# Altium PCB tester_board.PcbDoc (part 4 of 4)
Units mil, origin at the board's own origin, x right, y up, seen from the top; angles counter-clockwise.
Board outline 5000 x 4000 mil, 4 copper layers (Top Layer, Signal Layer 1, Signal Layer 2, Bottom Layer), stack 30.634 mil thick; 418 components, 246 nets, 1388 pads, 667 vias.
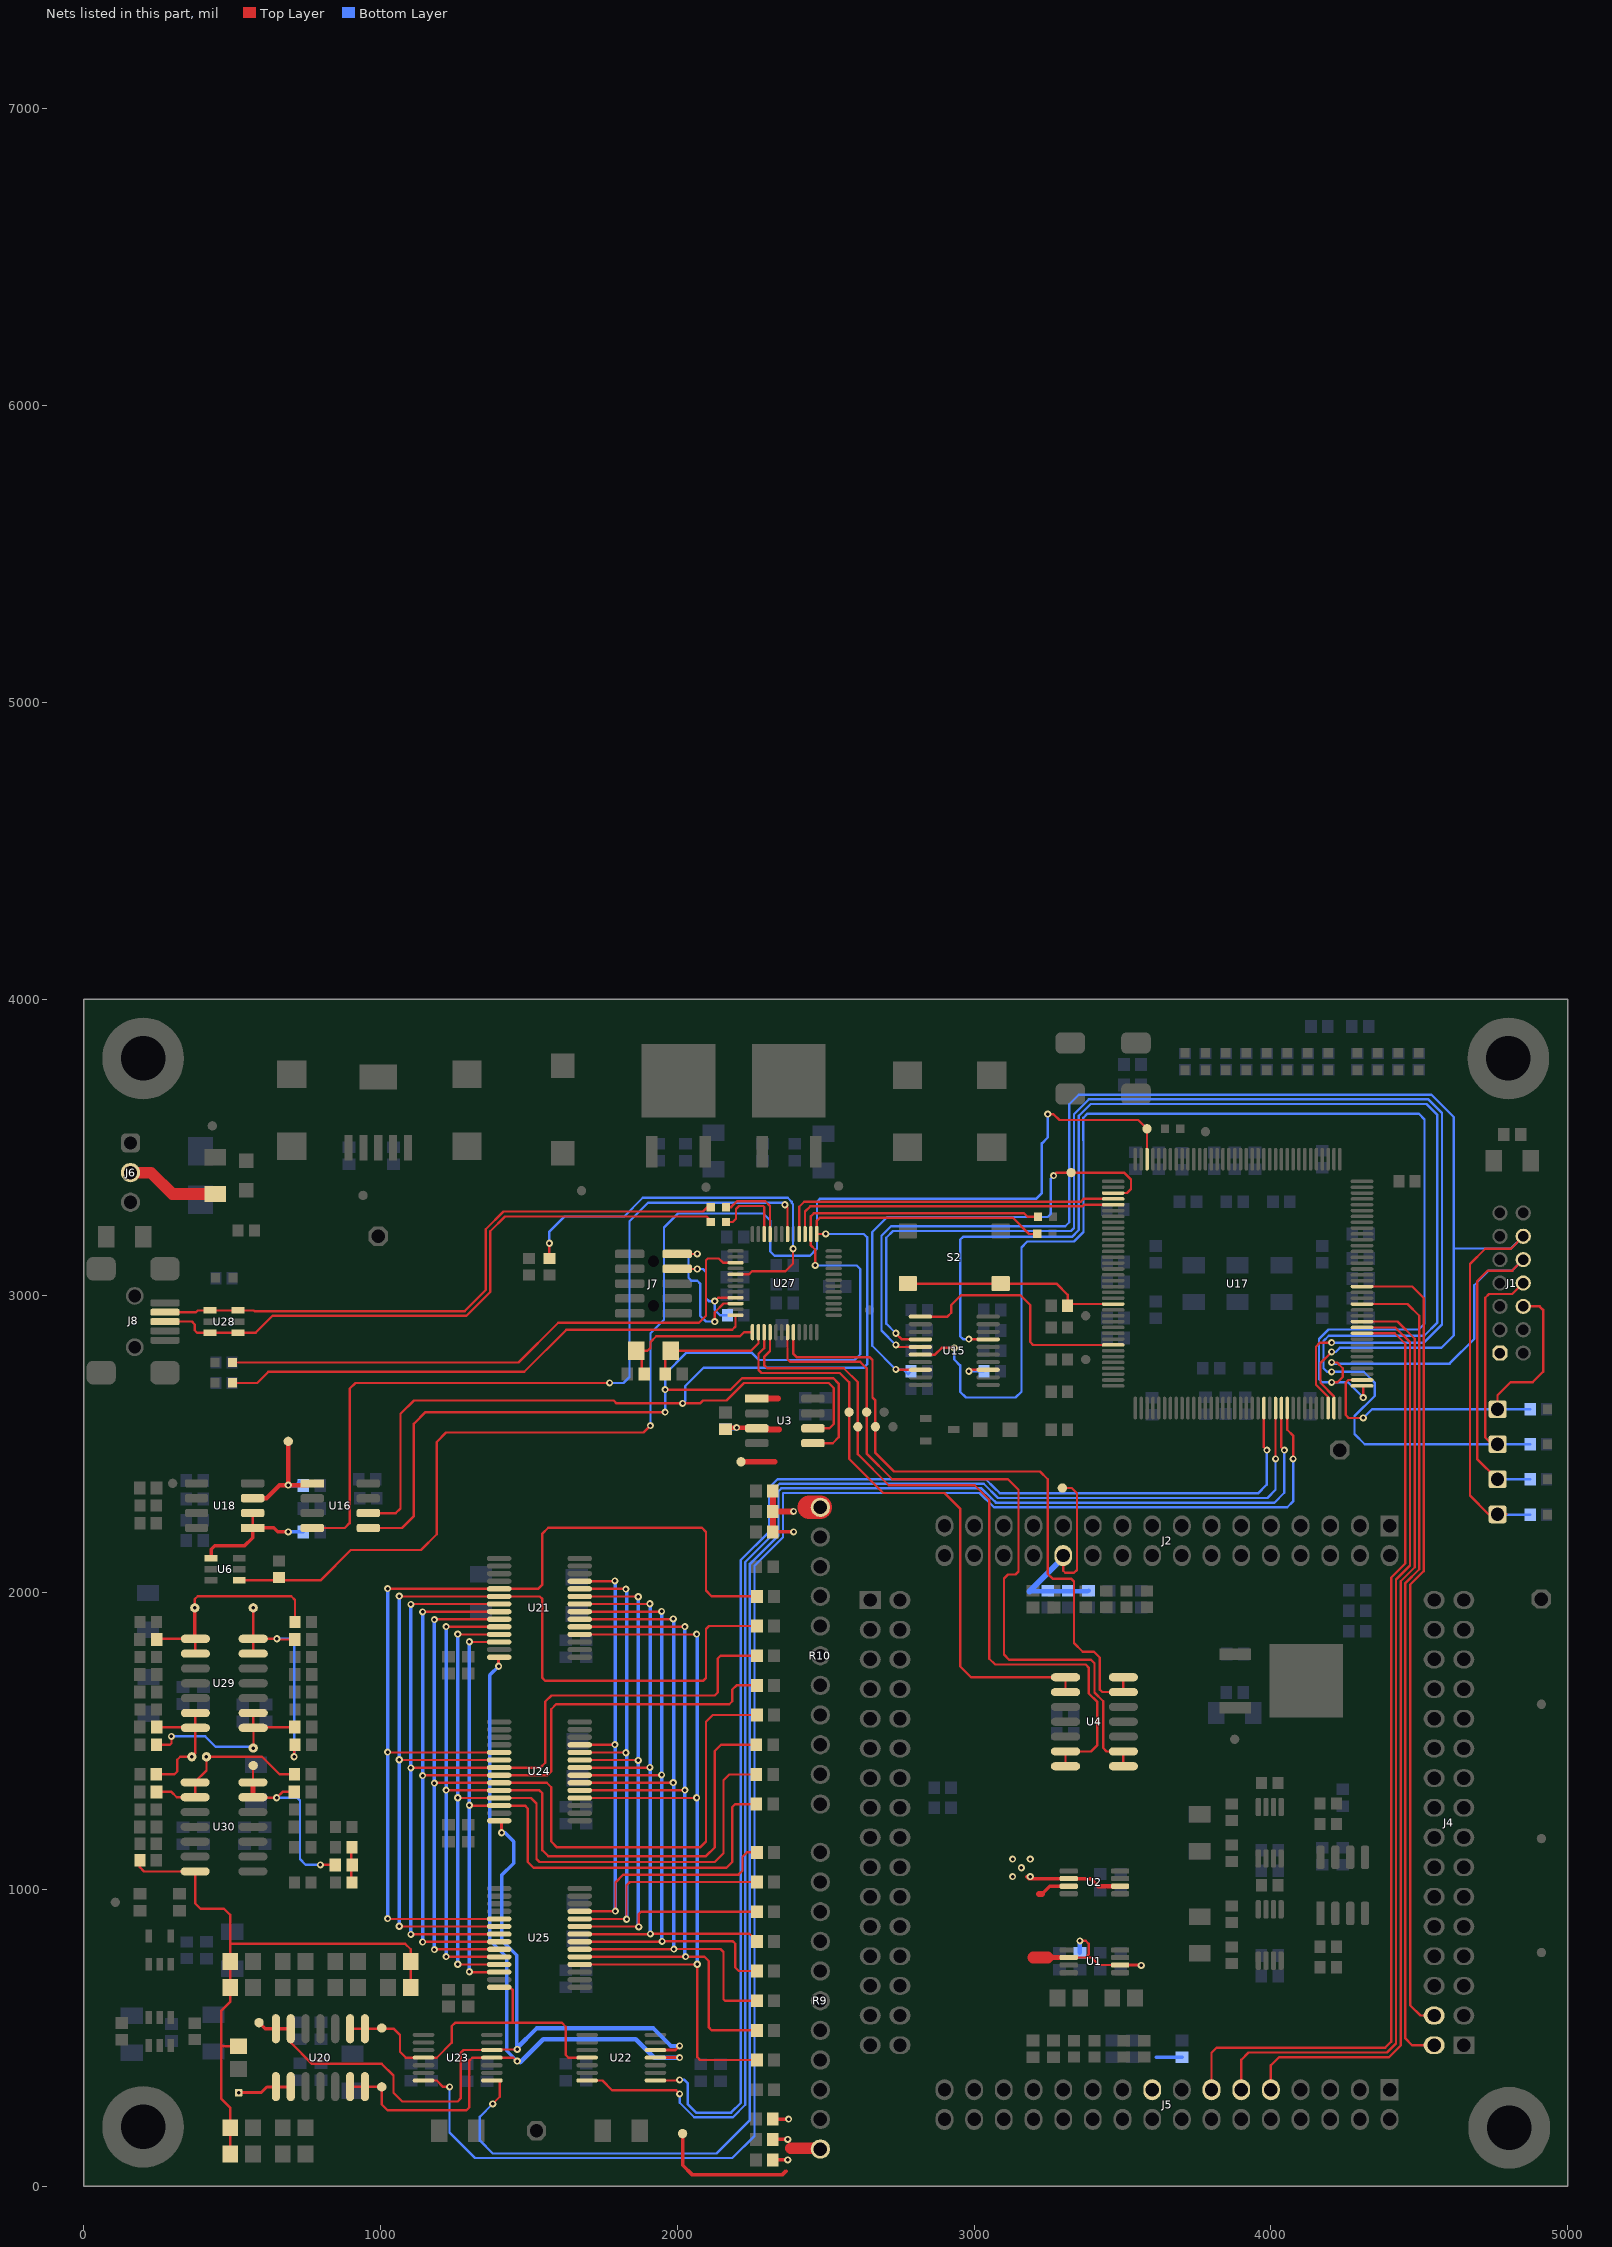
[diagram p6: the nets of this part, all layers, seen from the top]

## Via types
v1: diameter 24, hole 11.81, Top Layer to Bottom Layer, tented both sides, 654 vias
v2: diameter 25, hole 10, Top Layer to Bottom Layer, tented both sides, 13 vias

## Nets (pads, with @x,y where several pads share a name; then routed paths per layer and width w, separated by ;. In a path a pad name is that pad's centre, name@x,y a point inside that pad or via, vN(x,y) a via of type N, cw(c..) or ccw(c..) an arc to the next point about the centre after c; other vN are vias at no path point) (continued)
NEXT_ADDR_1: U17.98 U23.1 | length 5420.7
  Top Layer w7.87: U23.1@1375,356.3 1399.61,356.3 1401.57,354.33 1401.57,301.18 v1(1377.95,277.56) ; U17.98@4035.43,2622.05 4035.43,2490.16 v1(4045.28,2480.31)
  Bottom Layer w7.87: v1(1377.95,277.56) 1334.65,234.25 1334.65,153.54 1377.95,110.24 2131.57,110.24 2244.47,223.13 2244.47,2096.92 2340.57,2193.02 2340.57,2341.57 2350.32,2351.31 3024.76,2351.31 3058.12,2317.96 ; 3058.47,2318.31 3073.4,2303.38 3736.22,2303.38 3736.59,2303 4011.81,2303 4045.28,2336.47 v1(4045.28,2480.31)
NEXT_ADDR_2: U17.99 U23.14 | length 5620.1
  Top Layer w7.87: U23.14@1144.69,356.3 1188.97,356.3 1210.63,334.64 v1(1232.28,334.64) ; U17.99@4055.12,2622.05 4055.12,2549.21 4074.8,2529.53 v1(4074.8,2450.79)
  Bottom Layer w7.87: v1(1232.28,334.64) 1232.28,181.1 1318.52,94.86 2185.09,94.86 2259.84,169.61 2259.84,2090.55 2355.94,2186.65 2355.94,2335.2 2356.68,2335.94 3018.39,2335.94 3066.7,2287.63 4055.35,2287.63 4074.8,2307.09 v1(4074.8,2450.79)
P1: C170.2 R79.1 TP8.1 U29.1 U29.2 | length 771.4
  Top Layer w7.87: C170.2@246.06,1842.13 248.43,1844.49 U29.1@375.98,1844.49 ; v1(374.02,1948.82) 374.02,1978.35 383.86,1988.19 698.82,1988.19 711.61,1975.39 R79.1@711.61,1901.18 ; 375,1881.5 375,1845.47 U29.1@375.98,1844.49 ; U29.2@375.98,1794.49 U29.1@375.98,1844.49
  Top Layer w11.81: U29.1@374.02,1846.46 v1(374.02,1948.82)
P2: C171.2 R80.1 TP33.1 U29.13 U29.14 | length 784.9
  Top Layer w7.87: U29.13@570.87,1794.49 U29.14@570.87,1844.49 ; v1(570.87,1948.82) U29.14@570.87,1844.49 ; v1(708.66,1446.85) 708.66,1484.84 R80.1@711.61,1487.8 ; C171.2@710.63,1842.13 652.95,1842.13 v1(650.59,1844.49) U29.14@570.87,1844.49
  Bottom Layer w7.87: v1(650.59,1844.49) 694.88,1844.49 708.66,1830.71 v1(708.66,1446.85)
P3: C177.2 R83.1 TP34.1 U29.8 U29.9 | length 626.3
  Top Layer w7.87: R83.1@245.08,1487.8 290.6,1487.8 295.28,1492.47 v1(295.28,1515.75) ; v1(570.87,1476.38) 571.85,1477.36 571.85,1543.5 U29.8@570.87,1544.49 ; U29.9@570.87,1594.49 U29.8@570.87,1544.49 ; C177.2@710.63,1546.85 573.23,1546.85 U29.8@570.87,1544.49
  Bottom Layer w7.87: v1(295.28,1515.75) 409.45,1515.75 444.88,1480.32 v1@571.85,1480.32
P4: C178.2 R84.1 TP35.1 U29.6 U29.7 | length 453.1
  Top Layer w7.87: R84.1@244.09,1387.8 305.12,1387.8 314.96,1397.64 314.96,1437.01 324.9,1446.95 v1(364.08,1446.95) ; C178.2@246.06,1546.85 373.62,1546.85 U29.7@375.98,1544.49 ; TP35.1@366.21,1446.95 v1(364.08,1446.95) ; U29.6@375.98,1594.49 U29.7@375.98,1544.49 ; v1(364.08,1446.95) 375.98,1458.85 U29.7@375.98,1544.49
P5: C182.2 R87.1 TP36.1 U30.1 U30.2 | length 616.5
  Top Layer w7.87: C182.2@245.08,1328.74 295.28,1328.74 313.39,1310.63 U30.2@375,1310.63 375,1349.8 U30.1@364.17,1360.63 ; U30.1@375,1360.63 374.02,1361.61 413.39,1400.98 v1(413.39,1446.85) 600.39,1446.85 659.45,1387.8 R87.1@710.63,1387.8
P6: C181.2 C183.2 TP37.1 U30.13 U30.14 | length 660.6
  Top Layer w7.87: U30.13@569.88,1310.63 571.46,1309.05 v1(649.61,1309.05) 669.29,1328.74 C183.2@709.65,1328.74 ; U30.14@569.88,1360.63 569.88,1416.34 TP37.1@570.87,1417.32 ; v1(797.24,1082.68) C181.2@845.47,1082.68
  Top Layer w15.75: U30.13@569.88,1310.63 U30.14@569.88,1360.63
  Bottom Layer w7.87: v1(649.61,1309.05) 718.5,1309.05 728.35,1299.21 728.35,1102.36 748.03,1082.68 v1(797.24,1082.68)
PDAC_E\N\: U16.4 U27.30 | length 2724.5
  Top Layer w7.87: U16.4@769.68,2217.95 879.37,2217.95 895.67,2234.25 895.67,2687.01 915.35,2706.69 v1(1771.65,2706.69) ; v1(2362.2,3307.09) 2371.26,3298.03 U27.30@2371.26,3208.42
  Bottom Layer w7.87: v1(1771.65,2706.69) 1818.9,2706.69 1838.58,2726.38 1838.58,3251.23 1901.35,3314 2355.29,3314 v1(2362.2,3307.09)
PGND: J1.13
PKMODE0: J4.4 U17.126 | length 2721.6
  Top Layer w7.87: U17.126@4307.09,3031.5 4476.38,3031.5 4515.25,2992.62 4515.25,2072.54 4469.13,2026.42 4469.13,609.61 4503.74,575 J4.4@4550,575
PKMODE1: J4.2 U17.123 | length 2777
  Top Layer w7.87: U17.123@4307.09,2972.44 4460.63,2972.44 4499.88,2933.19 4499.88,2078.91 4453.26,2032.29 4453.26,497.53 4475.79,475 J4.2@4550,475 J4.2@4556.89,475
PKTIME0: J5.13 U17.118 | length 3277
  Top Layer w7.87: J5.13@3800,325 3800,449.61 3816.8,466.41 4384.8,466.41 4405.64,487.24 4405.64,2051.31 4452.76,2098.43 4452.76,2838.49 4417.23,2874.02 U17.118@4307.09,2874.02
PKTIME1: J5.11 U17.119 | length 3210.1
  Top Layer w7.87: J5.11@3900,325 3900,425.59 3924.94,450.54 4391.38,450.54 4421.51,480.67 4421.51,2044.73 4468.63,2091.85 4468.63,2844.36 4419.29,2893.7 U17.119@4307.09,2893.7
PKTIME2: J5.9 U17.120 | length 3149.6
  Top Layer w7.87: J5.9@4000,325 4000,407.48 4027.18,434.66 4397.95,434.66 4437.39,474.09 4437.39,2038.16 4484.5,2085.27 4484.5,2855.25 4426.37,2913.39 U17.120@4307.09,2913.39
POWER_RAW: F2.1 J6.2 | length 305.4
  Top Layer w39.37: J6.2@167.32,3415.35 226.38,3415.35 298.23,3343.5 F2.1@442.91,3343.5
PREV_ADDR_1: U17.95 U22.1 | length 4484.1
  Top Layer w7.87: U22.1@1926.18,356.3 2005.91,356.3 v1(2007.87,358.27) ; U17.95@3976.38,2622.05 3976.38,2490.16 v1(3986.22,2480.31)
  Bottom Layer w7.87: v1(2007.87,358.27) 2023.62,358.27 2035.43,346.46 2035.43,275.59 2062.99,248.03 2181.1,248.03 2213.72,280.65 2213.72,2109.66 2308.82,2204.76 2308.82,2353.3 2337.58,2382.06 3038.91,2382.06 3066.78,2354.19 ; 3067.14,2354.54 3086.8,2334.87 3728.35,2334.87 ; 3728.35,2334.5 3956.69,2334.5 3986.22,2364.03 v1(3986.22,2480.31)
PREV_ADDR_2: U17.97 U22.14 | length 4736.3
  Top Layer w7.87: U22.14@1695.87,356.3 1747.33,356.3 1780.8,322.83 1996.06,322.83 v1(2007.87,311.02) ; U17.97@4013.91,2620.2 4015.75,2618.36 v1(4015.75,2450.78)
  Bottom Layer w7.87: v1(2007.87,311.02) 2007.87,281.41 2056.62,232.66 2187.47,232.66 2229.09,274.28 2229.09,2103.29 2324.2,2198.39 2324.2,2346.93 2343.95,2366.69 3032.54,2366.69 3080.1,2319.13 3988.42,2319.13 4015.74,2346.45 v1(4015.75,2450.78)
PROM_C\E\O\: R33.2 U15.13 | length 118.2
  Top Layer w7.87: v1(2982.28,2746.06) 2987.2,2750.98 U15.13@3047.24,2750.98
  Bottom Layer w7.87: v1(2982.28,2746.06) R33.2@3033.46,2746.06
PROM_D0_DIN: U15.1 U17.65 | length 837.1
  Top Layer w7.87: U15.1@2818.9,2930.12 2910.43,2930.12 2923.23,2942.91 2923.23,2969.17 2956.02,3001.97 3156.18,3001.97 3188.98,2969.17 3188.98,2844.49 3198.82,2834.65 U17.65@3468.5,2834.65
PROM_OE/R\E\S\E\T\: R38.1 TP25.1 U15.8 U17.39 | length 1777.2
  Top Layer w7.87: v1(2736.22,2751.96) 2736.22,2750.01 2738.19,2748.03 2741.14,2750.98 U15.8@2818.9,2750.98 ; v1(3267.72,3405.51) 3277.56,3415.35 TP25.1@3326.77,3415.35 3504.92,3415.35 3528.54,3391.73 3528.54,3360.1 3514.9,3346.46 U17.39@3468.5,3346.46
  Bottom Layer w7.87: R38.1@2787.4,2746.06 2777.55,2736.22 2761.81,2751.96 v1(2736.22,2751.96) 2656.5,2831.68 2656.5,3215.44 2706.93,3265.87 3248.03,3265.87 3257.87,3275.72 3257.87,3395.67 v1(3267.72,3405.51)
PULSE_EN: R106.2 TP22.1 U6.1 U17.34 | length 4794.2
  Top Layer w7.87: U6.1@523.62,2041.34 797.24,2041.34 899.61,2143.7 1135.83,2143.7 1188.98,2196.85 1188.98,2507.87 1220.47,2539.37 1885.83,2539.37 v1(1909.45,2562.99) ; v1(3248.03,3612.2) 3267.72,3612.2 3287.4,3592.52 3553.15,3592.52 TP22.1@3582.68,3562.99 U17.34@3582.68,3460.63
  Bottom Layer w7.87: v1(1909.45,2562.99) 1909.45,2874.02 1955,2919.57 1955,3230.59 2001.84,3277.43 2289.5,3277.43 2312.99,3253.94 2312.99,3149.61 2327.15,3135.45 2446.48,3135.45 2470.47,3159.45 2470.47,3316.93 2480.32,3326.77 3208.66,3326.77 3228.35,3346.46 3228.35,3513.78 3248.03,3533.46 v1(3248.03,3612.2)
PULSE_FULL: C181.1 R88.1 R91.1 | length 118.9
  Top Layer w7.87: R91.1@901.57,1023.62 901.57,1139.76 902.56,1140.75 R88.1@901.57,1141.73
PULSE_HIGH: TP29.1 U20.6 U20.7 U21.28 U22.4 U23.4 | length 3004.1
  Top Layer w7.87: TP29.1@1003.94,334.65 TP29.1@994.09,334.65 ; v1(1460.63,421.26) 1458.66,421.26 1446.85,433.07 U23.4@1375,433.07 1309.06,433.07 1299.21,423.23 1299.21,265.75 1289.37,255.91 1023.62,255.91 1003.94,275.59 1003.94,324.8 TP29.1@994.09,334.65 ; TP29.1@994.09,334.65 898.23,334.65 U20.6@897.24,335.63 U20.7@947.24,335.63 993.11,335.63 TP29.1@994.09,334.65
  Top Layer w9.84: v1(1397.64,1751.97) 1397.64,1780.51 U21.28@1399.61,1782.48 ; U22.4@1926.18,433.07 v1(2007.87,433.07)
  Bottom Layer w11.81: v1(1397.64,1751.97) 1368.11,1722.44 1368.11,828.74 1425.2,771.65 1425.2,456.19 1460.13,421.26 v1(1460.63,421.26)
  Bottom Layer w15.75: v1(1460.63,421.26) 1466.54,421.26 1470.47,417.32 1548.1,494.95 1860.24,494.95 1922.12,433.07 v1(2007.87,433.07)
PULSE_LOW: TP31.1 U20.8 U20.9 U22.11 U23.11 U25.28 | length 1218.4
  Top Layer w7.87: U20.9@897.24,530.51 U20.8@947.24,530.51 1042.32,530.51 1043.31,531.5 1065.66,509.15 1065.66,452.76 1085.34,433.07 U23.11@1144.69,433.07 1189.52,433.07 1240.16,483.7 1240.16,539.37 1251.97,551.18 1444.88,551.18 ; U25.28@1399.61,670.28 1436.02,670.28 1444.88,661.42 1444.88,551.18 ; U22.11@1695.87,433.07 1632.87,433.07 1624.02,441.93 1624.02,537.4 1610.24,551.18 1444.88,551.18
PULSE_MED: TP30.1 U20.13 U20.14 U22.5 U23.5 U24.28 | length 2729.8
  Top Layer w7.87: U20.13@697.24,530.51 697.24,483.86 768.99,412.11 1003.94,412.11 1043.31,372.74 1043.31,314.96 1072.83,285.43 1259.84,285.43 1269.68,295.28 1269.68,448.82 1279.53,458.66 U23.5@1375,458.66 1376.97,460.63 v1(1460.63,460.63)
  Top Layer w9.84: U24.28@1399.61,1231.3 1407.48,1223.43 v1(1407.48,1190.94) ; U22.5@1926.18,458.66 1994.09,458.66 v1(2007.87,472.44)
  Top Layer w11.81: TP30.1@590.55,551.18 611.22,530.51 U20.14@647.24,530.51 U20.13@697.24,530.51
  Bottom Layer w11.81: v1(1407.48,1190.94) 1419.29,1190.94 1448.82,1161.42 1448.82,1088.58 1407.48,1047.24 1407.48,828.74 1458.66,777.56 1458.66,464.56 1460.63,462.59 v1(1460.63,460.63)
  Bottom Layer w15: v1@1458.66,464.56 1525.59,531.5 1919.29,531.5 1978.35,472.44 v1(2007.87,472.44)
PULSE_MON: TP38.1 U20.1 U20.2 | length 184.2
  Top Layer w10: TP38.1@521.65,314.96 597.05,314.96 616.73,334.65 696.26,334.65 U20.2@697.24,335.63
PULSE_OFFSET: R19.2 R93.1 R94.1 R95.2 R96.1 R97.2 R98.1 R99.2 U30.7 | length 2105.1
  Top Layer w7.87: R19.2@188.98,1098.43 188.98,1074.8 203.15,1060.63 U30.7@375,1060.63 U30.7@375,1055.12 ; U30.7@383.86,1063.98 U30.7@375,1055.12 ; R94.1@493.11,108.27 R95.2@493.11,196.85 493.11,264.76 462.6,295.28 462.6,472.44 ; R93.1@521.65,471.46 463.58,471.46 462.6,472.44 ; R99.2@1101.38,669.29 R98.1@1101.38,757.87 1101.38,798.23 1082.68,816.93 493.11,816.93 ; U30.7@375,1055.12 375,953.74 393.7,935.04 472.44,935.04 493.11,914.37 493.11,816.93 ; 462.6,472.44 462.6,590.55 493.11,621.06 R97.2@493.11,669.29 R96.1@493.11,757.87 493.11,816.93
PUSH_BUTTON: R35.1 S2.1 S2.2 U17.58 | length 746.9
  Top Layer w7.87: S2.2@2776.57,3041.34 S2.1@3089.57,3041.34 3277.56,3041.34 3314.96,3003.94 R35.1@3314.96,2966.77 3320.64,2972.44 U17.58@3468.5,2972.44
RX_LED: D21.C U27.48 | length 1811.6
  Top Layer w7.87: D21.C@501.19,2706.69 584.65,2706.69 622.05,2744.09 1484.25,2744.09 1625.98,2885.83 2185.04,2885.83 2196.06,2896.85 U27.48@2196.06,2934.79
SIG1: C25.1 U21.19 U24.19 U25.19 | length 3506.4
  Top Layer w7.87: v1@1023.62,900.59 U25.19@1399.61,900.59 ; v1@1023.62,1461.61 U24.19@1399.61,1461.61 ; v1@1023.62,2012.8 U21.19@1399.61,2012.8 1530.51,2012.8 1545.28,2027.56 1545.28,2199.08 1564.96,2218.76 2082.76,2218.76 2096.8,2204.72 2096.8,2006.84 2116.14,1987.5 C25.1@2268.35,1987.5
  Bottom Layer w11.81: v1(1023.62,901.57) v1(1023.62,1462.6) v1(1023.62,2013.78)
SIG2: C26.1 U21.20 U24.20 U25.20 | length 3440.4
  Top Layer w7.87: v1(1062.99,875.98) 1062.99,875 U25.20@1399.61,875 ; v1(1062.99,1437.01) 1062.99,1436.02 U24.20@1399.61,1436.02 ; v1(1062.99,1988.19) 1062.99,1987.2 U21.20@1399.61,1987.2 1536.42,1987.2 1545.28,1978.35 1545.28,1712.6 1555.12,1702.76 2086.61,1702.76 2096.46,1712.6 2096.46,1877.66 2106.3,1887.5 C26.1@2268.35,1887.5
  Bottom Layer w11.81: v1(1062.99,875.98) v1(1062.99,1437.01) v1(1062.99,1988.19)
SIG3: C27.1 U21.21 U24.21 U25.21 | length 3219.3
  Top Layer w7.87: v1(1102.36,848.43) 1102.36,849.41 U25.21@1399.61,849.41 ; v1(1102.36,1409.45) 1102.36,1410.43 U24.21@1399.61,1410.43 1538.39,1410.43 1555.12,1427.17 1555.12,1633 1575.66,1653.54 2125.98,1653.54 2135.83,1663.39 2135.83,1777.66 2145.67,1787.5 C27.1@2268.35,1787.5 ; v1(1102.36,1960.63) 1102.36,1961.61 U21.21@1399.61,1961.61
  Bottom Layer w11.81: v1(1102.36,848.43) v1(1102.36,1409.45) v1(1102.36,1960.63)
SIG4: C28.1 U21.22 U24.22 U25.22 | length 3027.8
  Top Layer w7.87: v1@1141.73,824.8 1141.73,823.82 U25.22@1399.61,823.82 ; v1@1141.73,1384.84 U24.22@1399.61,1384.84 1562.01,1384.84 1574.8,1397.64 1574.8,1607.41 1591.41,1624.02 2175.2,1624.02 2185.04,1633.86 2185.04,1673.23 2199.31,1687.5 C28.1@2268.35,1687.5 ; v1@1141.73,1937.01 1141.73,1936.02 U21.22@1399.61,1936.02
  Bottom Layer w11.81: v1(1141.73,822.83) v1(1141.73,1383.86) v1(1141.73,1935.04)
SIG5: C29.1 U21.23 U24.23 U25.23 | length 3261.3
  Top Layer w7.87: v1(1181.1,797.24) 1181.1,798.23 U25.23@1399.61,798.23 ; v1(1181.1,1358.27) 1181.1,1359.25 U24.23@1399.61,1359.25 1559.91,1359.25 1574.8,1344.36 1574.8,1161.42 1594.49,1141.73 2076.77,1141.73 2096.46,1161.42 2096.46,1564.96 2119,1587.5 C29.1@2268.35,1587.5 ; v1(1181.1,1909.45) 1181.1,1910.43 U21.23@1399.61,1910.43 ; U24.23@1396.06,1361.61 U24.23@1399.61,1361.61
  Bottom Layer w11.81: v1(1181.1,797.24) v1(1181.1,1358.27) v1(1181.1,1909.45)
SIG6: C30.1 U21.24 U24.24 U25.24 | length 3068.7
  Top Layer w7.87: v1(1220.47,773.62) 1220.47,772.64 U25.24@1399.61,772.64 ; v1(1220.47,1334.65) 1220.47,1333.66 U24.24@1399.61,1333.66 1535.43,1333.66 1545.28,1323.82 1545.28,1131.89 1564.96,1112.2 2096.46,1112.2 2125.98,1141.73 2125.98,1466.54 2146.95,1487.5 C30.1@2265.85,1487.5 ; v1(1220.47,1885.83) 1220.47,1884.84 U21.24@1399.61,1884.84
  Bottom Layer w11.81: v1(1220.47,773.62) v1(1220.47,1334.65) v1(1220.47,1885.83)
SIG7: C31.1 U21.25 U24.25 U25.25 | length 2865.7
  Top Layer w7.87: v1(1259.84,748.03) 1259.84,747.05 U25.25@1399.61,747.05 ; v1(1259.84,1309.06) 1259.84,1308.07 U24.25@1399.61,1308.07 1506.89,1308.07 1525.59,1289.37 1525.59,1102.36 1535.43,1092.52 2125.98,1092.52 2155.51,1122.05 2155.51,1367.81 2175.2,1387.5 C31.1@2265.85,1387.5 ; v1(1259.84,1860.24) 1259.84,1859.25 U21.25@1399.61,1859.25
  Bottom Layer w11.81: v1(1259.84,748.03) v1(1259.84,1309.06) v1(1259.84,1860.24)
SIG8: C32.1 U21.26 U24.26 U25.26 | length 2672.3
  Top Layer w7.87: v1(1299.21,722.44) 1299.21,721.46 U25.26@1399.61,721.46 ; v1(1299.21,1283.46) 1299.21,1282.48 U24.26@1399.61,1282.48 1486.22,1282.48 1496.06,1272.64 1496.06,1092.52 1515.75,1072.83 2165.35,1072.83 2185.04,1092.52 2185.04,1277.66 2194.88,1287.5 C32.1@2265.85,1287.5 ; v1(1299.21,1834.65) 1299.21,1833.66 U21.26@1399.61,1833.66
  Bottom Layer w11.81: v1(1299.21,722.44) v1(1299.21,1283.46) v1(1299.21,1834.65)
SIG9: C40.1 U21.11 U24.11 U25.11 | length 2048.7
  Top Layer w7.87: U24.11@1671.26,1487.2 1790.35,1487.2 1791.34,1488.19 v1(1789.37,1488.19) ; U21.11@1708.66,2038.39 1790.35,2038.39 1791.34,2039.37 v1(1789.37,2039.37) ; U25.11@1710.63,926.18 1792.32,926.18 1793.31,927.17 v1(1791.34,927.17) 1791.34,1023.62 1817.72,1050 2206.4,1050 2219.39,1062.99 2219.39,1110.14 2234.25,1125 C40.1@2268.35,1125
  Bottom Layer w11.81: v1(1789.37,2039.37) 1791.34,2037.4 v1(1791.34,927.17)
SIG10: C41.1 U21.10 U24.10 U25.10 | length 2144.7
  Top Layer w7.87: U25.10@1671.26,900.59 v1@1828.74,900.59 ; U24.10@1671.26,1461.61 1827.76,1461.61 v1(1826.77,1460.63) ; U21.10@1671.26,2012.8 1827.76,2012.8 v1(1826.77,2011.81) ; v1(1828.74,899.61) v1@1828.74,900.59 ; C41.1@2268.35,1025 1839.96,1025 1828.74,1013.78 v1@1828.74,900.59
  Bottom Layer w11.81: v1(1826.77,2011.81) 1828.74,2009.84 v1(1828.74,899.61)
SIG11: C42.1 U21.9 U24.9 U25.9 | length 2150.1
  Top Layer w7.87: U25.9@1671.26,875 1870.08,875 1870.08,917.32 1877.76,925 C42.1@2268.35,925 ; U24.9@1671.26,1436.02 1867.13,1436.02 v1(1868.11,1435.04) ; U21.9@1671.26,1987.2 1867.13,1987.2 v1(1868.11,1986.22)
  Bottom Layer w11.81: v1(1868.11,1986.22) v1(1868.11,1435.04) 1868.11,875.98 v1(1870.08,874.02)
SIG12: C43.1 U21.8 U24.8 U25.8 | length 2194.3
  Top Layer w7.87: U25.8@1671.26,849.41 1908.46,849.41 v1(1909.45,850.39) 2242.95,850.39 C43.1@2268.35,825 ; U24.8@1671.26,1410.43 1906.5,1410.43 v1(1907.48,1411.42) ; U21.8@1671.26,1961.61 1906.5,1961.61 v1(1907.48,1962.6)
  Bottom Layer w11.81: v1(1907.48,1962.6) 1909.45,1960.63 v1(1909.45,850.39)
SIG13: C44.1 U21.7 U24.7 U25.7 | length 2236.5
  Top Layer w7.87: U24.7@1708.66,1384.84 1943.9,1384.84 1944.88,1385.83 v1(1946.85,1385.83) ; U21.7@1708.66,1936.02 1943.9,1936.02 1944.88,1937.01 v1(1946.85,1937.01) ; U25.7@1710.63,823.82 1945.87,823.82 1946.85,824.8 v1(1948.82,824.8) 2187.01,824.8 2194.88,816.93 2194.88,737.01 2206.89,725 C44.1@2268.35,725
  Bottom Layer w11.81: v1(1946.85,1937.01) v1(1946.85,1385.83) 1946.85,826.77 v1(1948.82,824.8)
SIG14: C45.1 U21.6 U24.6 U25.6 | length 2506.8
  Top Layer w7.87: U25.6@1671.26,798.23 1987.2,798.23 v1(1988.19,799.21) 2145.67,799.21 2155.51,789.37 2155.51,629.92 2160.43,625 C45.1@2268.35,625 ; U24.6@1671.26,1359.25 1985.24,1359.25 v1(1986.22,1360.24) ; U21.6@1671.26,1910.43 1985.24,1910.43 v1(1986.22,1911.42)
  Bottom Layer w11.81: v1(1986.22,1911.42) 1988.19,1909.45 v1(1988.19,799.21)
SIG15: C46.1 U21.5 U24.5 U25.5 | length 2663.5
  Top Layer w7.87: U25.5@1671.26,772.64 2026.57,772.64 v1(2027.56,773.62) 2090.55,773.62 2106.3,757.87 2106.3,534.84 2116.14,525 C46.1@2268.35,525 ; U24.5@1671.26,1333.66 2024.61,1333.66 v1(2025.59,1334.65) ; U21.5@1671.26,1884.84 2024.61,1884.84 v1(2025.59,1885.83)